# Altium PCB touch-tara-h-3 (final).PcbDoc (part 3 of 8)
Units mm, origin at the board's own origin, x right, y up, seen from the top; angles counter-clockwise.
Board outline 447.8 x 276.35 mm, 2 copper layers (Top Layer, Bottom Layer); 1040 components, 28 nets, 3254 pads, 0 vias.
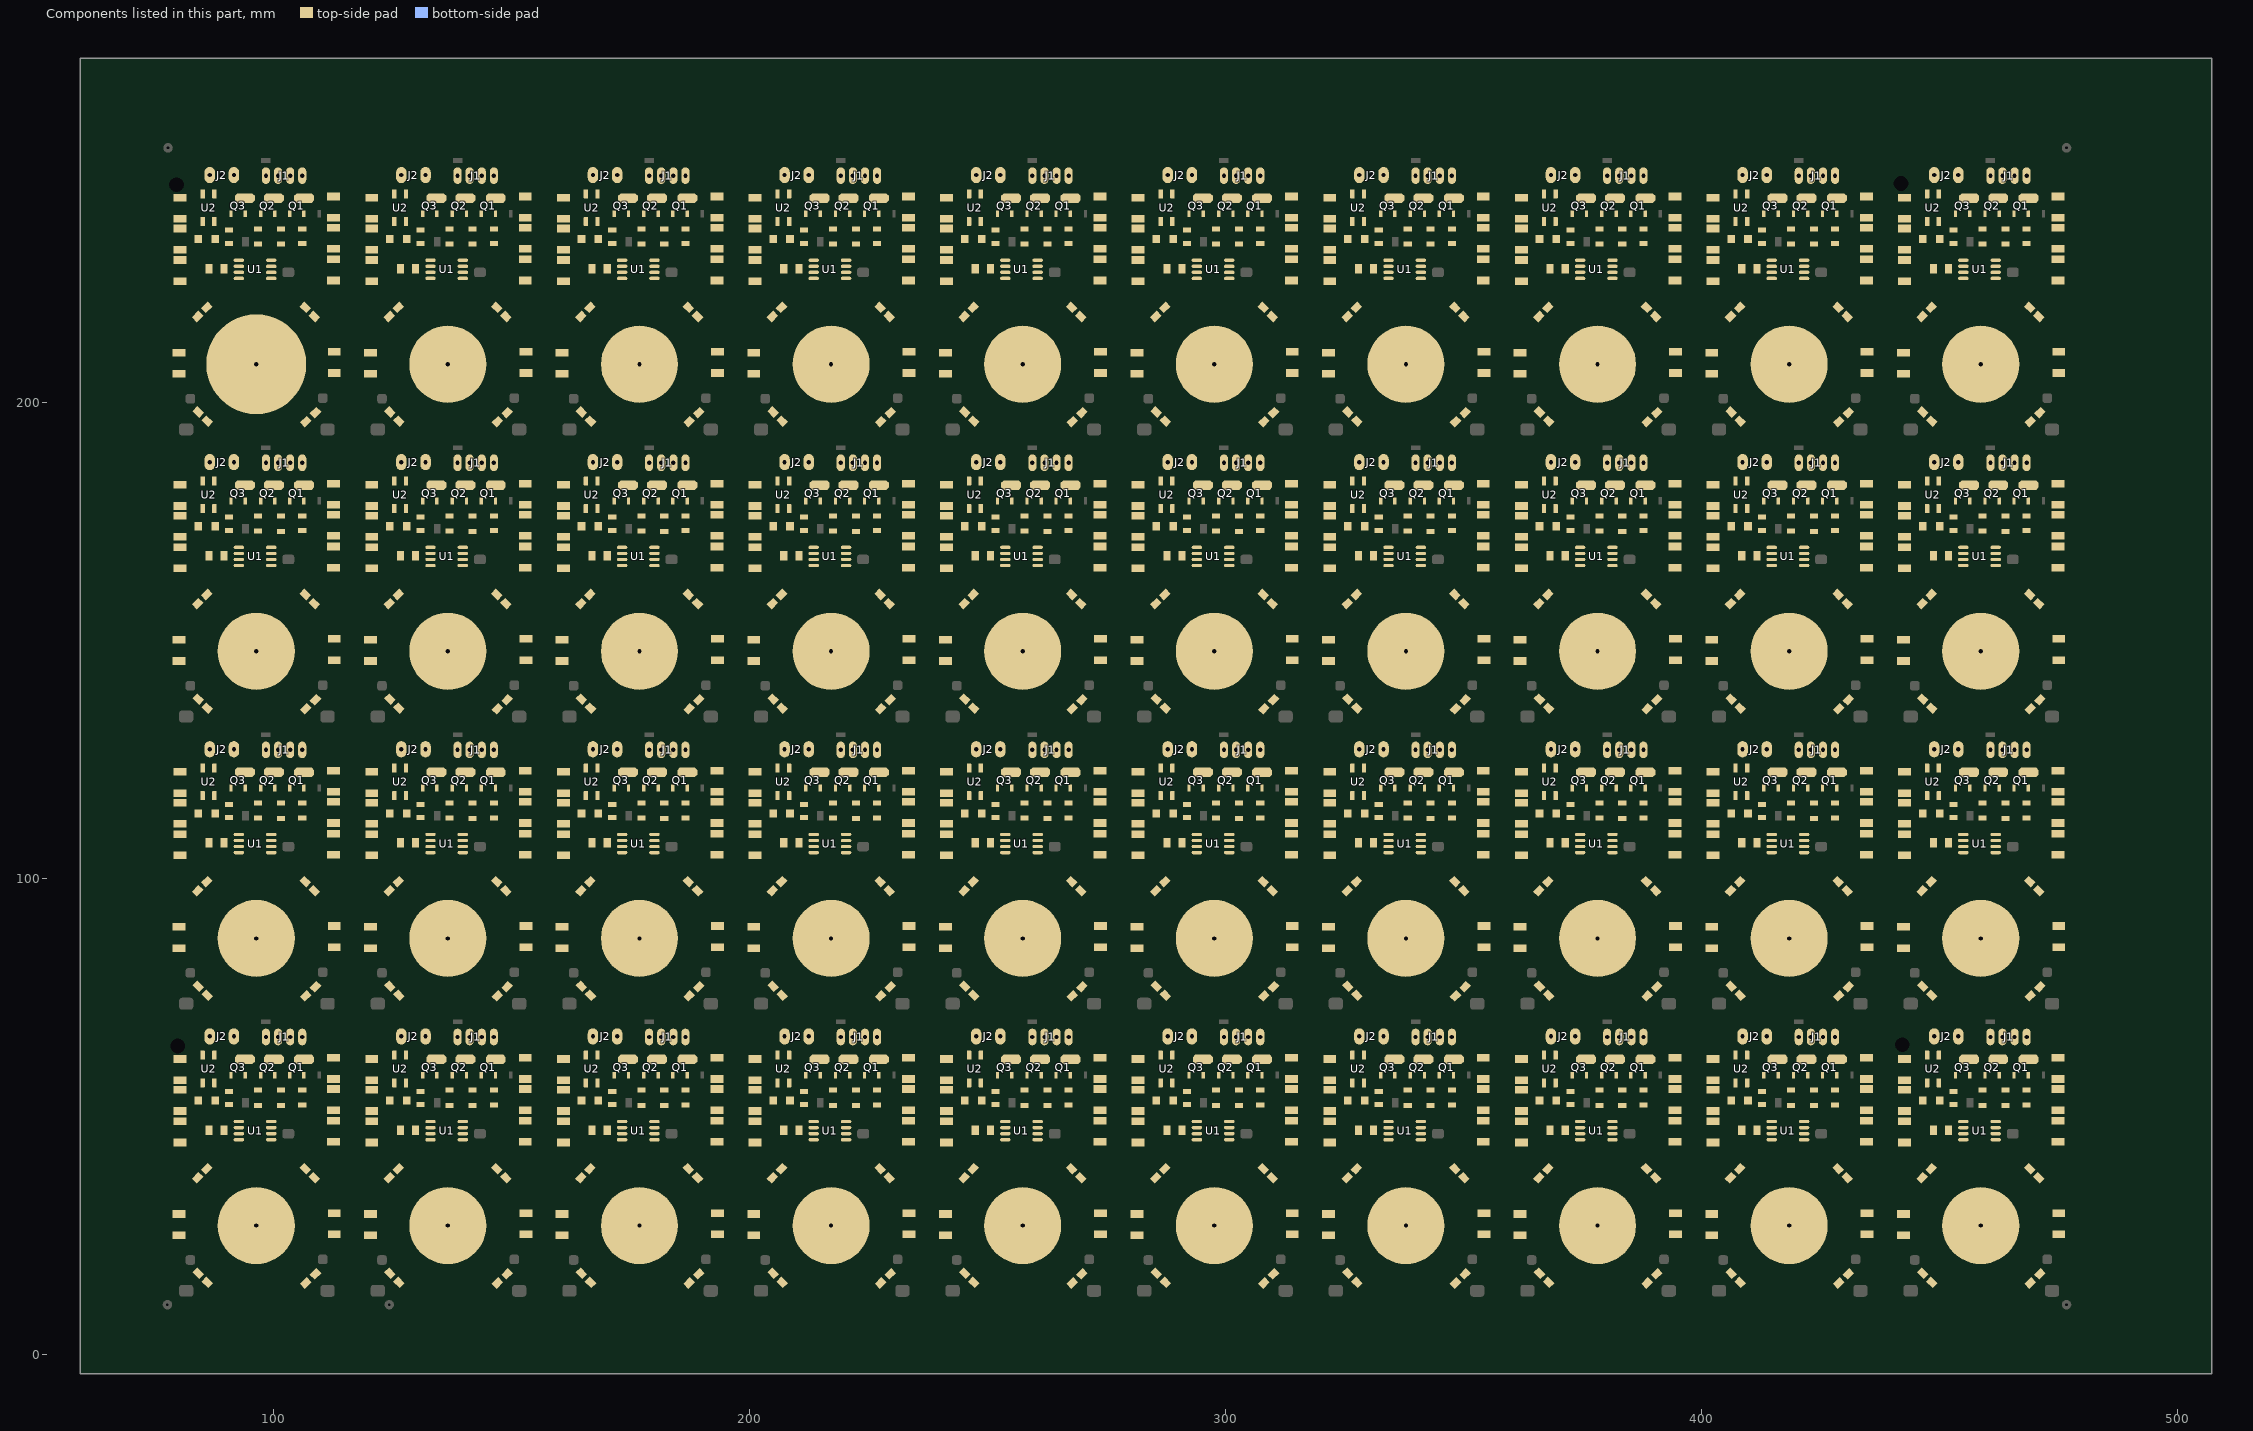
[diagram p3: the components of this part, seen from the top]

## Nets (pads, with @x,y where several pads share a name; then routed paths per layer and width w, separated by ;. In a path a pad name is that pad's centre, name@x,y a point inside that pad or via, vN(x,y) a via of type N, cw(c..) or ccw(c..) an arc to the next point about the centre after c; other vN are vias at no path point) (continued)
pads on no net: C1.1@84.201,113.665 C1.1@84.201,173.99 C1.1@84.201,234.315 C1.1@124.46,53.34 C1.1@124.46,113.665 C1.1@124.46,173.99 C1.1@124.46,234.315 C1.1@164.719,53.34 C1.1@164.719,113.665 C1.1@164.719,173.99 C1.1@164.719,234.315 C1.1@204.978,53.34 C1.1@204.978,113.665 C1.1@204.978,173.99 C1.1@204.978,234.315 C1.1@245.237,53.34 C1.1@245.237,113.665 C1.1@245.237,173.99 C1.1@245.237,234.315 C1.1@285.496,53.34 C1.1@285.496,113.665 C1.1@285.496,173.99 C1.1@285.496,234.315 C1.1@325.755,53.34 C1.1@325.755,113.665 C1.1@325.755,173.99 C1.1@325.755,234.315 C1.1@366.014,53.34 C1.1@366.014,113.665 C1.1@366.014,173.99 C1.1@366.014,234.315 C1.1@406.273,53.34 C1.1@406.273,113.665 C1.1@406.273,173.99 C1.1@406.273,234.315 C1.1@446.532,53.34 C1.1@446.532,113.665 C1.1@446.532,173.99 C1.1@446.532,234.315 C1.2@87.757,113.665 C1.2@87.757,173.99 C1.2@87.757,234.315 C1.2@128.016,53.34 C1.2@128.016,113.665 C1.2@128.016,173.99 C1.2@128.016,234.315 C1.2@168.275,53.34 C1.2@168.275,113.665 C1.2@168.275,173.99 C1.2@168.275,234.315 C1.2@208.534,53.34 C1.2@208.534,113.665 C1.2@208.534,173.99 C1.2@208.534,234.315 C1.2@248.793,53.34 C1.2@248.793,113.665 C1.2@248.793,173.99 C1.2@248.793,234.315 C1.2@289.052,53.34 C1.2@289.052,113.665 C1.2@289.052,173.99 C1.2@289.052,234.315 C1.2@329.311,53.34 C1.2@329.311,113.665 C1.2@329.311,173.99 C1.2@329.311,234.315 C1.2@369.57,53.34 C1.2@369.57,113.665 C1.2@369.57,173.99 C1.2@369.57,234.315 C1.2@409.829,53.34 C1.2@409.829,113.665 C1.2@409.829,173.99 C1.2@409.829,234.315 C1.2@450.088,53.34 C1.2@450.088,113.665 C1.2@450.088,173.99 C1.2@450.088,234.315 D1.1@106.68,99.314 D1.1@106.68,159.639 D1.1@106.68,219.964 D1.1@146.939,38.989 D1.1@146.939,99.314 D1.1@146.939,159.639 D1.1@146.939,219.964 D1.1@187.198,38.989 D1.1@187.198,99.314 D1.1@187.198,159.639 D1.1@187.198,219.964 D1.1@227.457,38.989 D1.1@227.457,99.314 D1.1@227.457,159.639 D1.1@227.457,219.964 D1.1@267.716,38.989 D1.1@267.716,99.314 D1.1@267.716,159.639 D1.1@267.716,219.964 D1.1@307.975,38.989 D1.1@307.975,99.314 D1.1@307.975,159.639 D1.1@307.975,219.964 D1.1@348.234,38.989 D1.1@348.234,99.314 D1.1@348.234,159.639 D1.1@348.234,219.964 D1.1@388.493,38.989 D1.1@388.493,99.314 D1.1@388.493,159.639 D1.1@388.493,219.964 D1.1@428.752,38.989 D1.1@428.752,99.314 D1.1@428.752,159.639 D1.1@428.752,219.964 D1.1@469.011,38.989 D1.1@469.011,99.314 D1.1@469.011,159.639 D1.1@469.011,219.964 D1.2@108.585,97.409 D1.2@108.585,157.734 D1.2@108.585,218.059 D1.2@148.844,37.084 D1.2@148.844,97.409 D1.2@148.844,157.734 D1.2@148.844,218.059 D1.2@189.103,37.084 D1.2@189.103,97.409 D1.2@189.103,157.734 D1.2@189.103,218.059 D1.2@229.362,37.084 D1.2@229.362,97.409 D1.2@229.362,157.734 D1.2@229.362,218.059 D1.2@269.621,37.084 D1.2@269.621,97.409 D1.2@269.621,157.734 D1.2@269.621,218.059 D1.2@309.88,37.084 D1.2@309.88,97.409 D1.2@309.88,157.734 D1.2@309.88,218.059 D1.2@350.139,37.084 D1.2@350.139,97.409 D1.2@350.139,157.734 D1.2@350.139,218.059 D1.2@390.398,37.084 D1.2@390.398,97.409 D1.2@390.398,157.734 D1.2@390.398,218.059 D1.2@430.657,37.084 D1.2@430.657,97.409 D1.2@430.657,157.734 D1.2@430.657,218.059 D1.2@470.916,37.084 D1.2@470.916,97.409 D1.2@470.916,157.734 D1.2@470.916,218.059 D2.1@108.839,77.216 D2.1@108.839,137.541 D2.1@108.839,197.866 D2.1@149.098,16.891 D2.1@149.098,77.216 D2.1@149.098,137.541 D2.1@149.098,197.866 D2.1@189.357,16.891 D2.1@189.357,77.216 D2.1@189.357,137.541 D2.1@189.357,197.866 D2.1@229.616,16.891 D2.1@229.616,77.216 D2.1@229.616,137.541 D2.1@229.616,197.866 D2.1@269.875,16.891 D2.1@269.875,77.216 D2.1@269.875,137.541 D2.1@269.875,197.866 D2.1@310.134,16.891 D2.1@310.134,77.216 D2.1@310.134,137.541 D2.1@310.134,197.866 D2.1@350.393,16.891 D2.1@350.393,77.216 D2.1@350.393,137.541 D2.1@350.393,197.866 D2.1@390.652,16.891 D2.1@390.652,77.216 D2.1@390.652,137.541 D2.1@390.652,197.866 D2.1@430.911,16.891 D2.1@430.911,77.216 D2.1@430.911,137.541 D2.1@430.911,197.866 D2.1@471.17,16.891 D2.1@471.17,77.216 D2.1@471.17,137.541 D2.1@471.17,197.866 D2.2@106.807,75.311 D2.2@106.807,135.636 D2.2@106.807,195.961 D2.2@147.066,14.986 D2.2@147.066,75.311 D2.2@147.066,135.636 D2.2@147.066,195.961 D2.2@187.325,14.986 D2.2@187.325,75.311 D2.2@187.325,135.636 D2.2@187.325,195.961 D2.2@227.584,14.986 D2.2@227.584,75.311 D2.2@227.584,135.636 D2.2@227.584,195.961 D2.2@267.843,14.986 D2.2@267.843,75.311 D2.2@267.843,135.636 D2.2@267.843,195.961 D2.2@308.102,14.986 D2.2@308.102,75.311 D2.2@308.102,135.636 D2.2@308.102,195.961 D2.2@348.361,14.986 D2.2@348.361,75.311 D2.2@348.361,135.636 D2.2@348.361,195.961 D2.2@388.62,14.986 D2.2@388.62,75.311 D2.2@388.62,135.636 D2.2@388.62,195.961 D2.2@428.879,14.986 D2.2@428.879,75.311 D2.2@428.879,135.636 D2.2@428.879,195.961 D2.2@469.138,14.986 D2.2@469.138,75.311 D2.2@469.138,135.636 D2.2@469.138,195.961 D3.1@86.106,75.438 D3.1@86.106,135.763 D3.1@86.106,196.088 D3.1@126.365,15.113 D3.1@126.365,75.438 D3.1@126.365,135.763 D3.1@126.365,196.088 D3.1@166.624,15.113 D3.1@166.624,75.438 D3.1@166.624,135.763 D3.1@166.624,196.088 D3.1@206.883,15.113 D3.1@206.883,75.438 D3.1@206.883,135.763 D3.1@206.883,196.088 D3.1@247.142,15.113 D3.1@247.142,75.438 D3.1@247.142,135.763 D3.1@247.142,196.088 D3.1@287.401,15.113 D3.1@287.401,75.438 D3.1@287.401,135.763 D3.1@287.401,196.088 D3.1@327.66,15.113 D3.1@327.66,75.438 D3.1@327.66,135.763 D3.1@327.66,196.088 D3.1@367.919,15.113 D3.1@367.919,75.438 D3.1@367.919,135.763 D3.1@367.919,196.088 D3.1@408.178,15.113 D3.1@408.178,75.438 D3.1@408.178,135.763 D3.1@408.178,196.088 D3.1@448.437,15.113 D3.1@448.437,75.438 D3.1@448.437,135.763 D3.1@448.437,196.088 D3.2@84.201,77.343 D3.2@84.201,137.668 D3.2@84.201,197.993 D3.2@124.46,17.018 D3.2@124.46,77.343 D3.2@124.46,137.668 D3.2@124.46,197.993 D3.2@164.719,17.018 D3.2@164.719,77.343 D3.2@164.719,137.668 D3.2@164.719,197.993 D3.2@204.978,17.018 D3.2@204.978,77.343 D3.2@204.978,137.668 D3.2@204.978,197.993 D3.2@245.237,17.018 D3.2@245.237,77.343 D3.2@245.237,137.668 D3.2@245.237,197.993 D3.2@285.496,17.018 D3.2@285.496,77.343 D3.2@285.496,137.668 D3.2@285.496,197.993 D3.2@325.755,17.018 D3.2@325.755,77.343 D3.2@325.755,137.668 D3.2@325.755,197.993 D3.2@366.014,17.018 D3.2@366.014,77.343 D3.2@366.014,137.668 D3.2@366.014,197.993 D3.2@406.273,17.018 D3.2@406.273,77.343 D3.2@406.273,137.668 D3.2@406.273,197.993 D3.2@446.532,17.018 D3.2@446.532,77.343 D3.2@446.532,137.668 D3.2@446.532,197.993 D4.1@89.615,107.442 D4.1@89.615,167.767 D4.1@89.615,228.092 D4.1@129.874,47.117 D4.1@129.874,107.442 D4.1@129.874,167.767 D4.1@129.874,228.092 D4.1@170.133,47.117 D4.1@170.133,107.442 D4.1@170.133,167.767 D4.1@170.133,228.092 D4.1@210.392,47.117 D4.1@210.392,107.442 D4.1@210.392,167.767 D4.1@210.392,228.092 D4.1@250.651,47.117 D4.1@250.651,107.442 D4.1@250.651,167.767 D4.1@250.651,228.092 D4.1@290.91,47.117 D4.1@290.91,107.442 D4.1@290.91,167.767 D4.1@290.91,228.092 D4.1@331.169,47.117 D4.1@331.169,107.442 D4.1@331.169,167.767 D4.1@331.169,228.092 D4.1@371.428,47.117 D4.1@371.428,107.442 D4.1@371.428,167.767 D4.1@371.428,228.092 D4.1@411.687,47.117 D4.1@411.687,107.442 D4.1@411.687,167.767 D4.1@411.687,228.092 D4.1@451.946,47.117 D4.1@451.946,107.442 D4.1@451.946,167.767 D4.1@451.946,228.092 D4.2@86.435,107.442 D4.2@86.435,167.767 D4.2@86.435,228.092 D4.2@126.694,47.117 D4.2@126.694,107.442 D4.2@126.694,167.767 D4.2@126.694,228.092 D4.2@166.953,47.117 D4.2@166.953,107.442 D4.2@166.953,167.767 D4.2@166.953,228.092 D4.2@207.212,47.117 D4.2@207.212,107.442 D4.2@207.212,167.767 D4.2@207.212,228.092 D4.2@247.471,47.117 D4.2@247.471,107.442 D4.2@247.471,167.767 D4.2@247.471,228.092 D4.2@287.73,47.117 D4.2@287.73,107.442 D4.2@287.73,167.767 D4.2@287.73,228.092 D4.2@327.989,47.117 D4.2@327.989,107.442 D4.2@327.989,167.767 D4.2@327.989,228.092 D4.2@368.248,47.117 D4.2@368.248,107.442 D4.2@368.248,167.767 D4.2@368.248,228.092 D4.2@408.507,47.117 D4.2@408.507,107.442 D4.2@408.507,167.767 D4.2@408.507,228.092 D4.2@448.766,47.117 D4.2@448.766,107.442 D4.2@448.766,167.767 D4.2@448.766,228.092 D5.1@84.074,97.409 D5.1@84.074,157.734 D5.1@84.074,218.059 D5.1@124.333,37.084 D5.1@124.333,97.409 D5.1@124.333,157.734 D5.1@124.333,218.059 D5.1@164.592,37.084 D5.1@164.592,97.409 D5.1@164.592,157.734 D5.1@164.592,218.059 D5.1@204.851,37.084 D5.1@204.851,97.409 D5.1@204.851,157.734 D5.1@204.851,218.059 D5.1@245.11,37.084 D5.1@245.11,97.409 D5.1@245.11,157.734 D5.1@245.11,218.059 D5.1@285.369,37.084 D5.1@285.369,97.409 D5.1@285.369,157.734 D5.1@285.369,218.059 D5.1@325.628,37.084 D5.1@325.628,97.409 D5.1@325.628,157.734 D5.1@325.628,218.059 D5.1@365.887,37.084 D5.1@365.887,97.409 D5.1@365.887,157.734 D5.1@365.887,218.059 D5.1@406.146,37.084 D5.1@406.146,97.409 D5.1@406.146,157.734 D5.1@406.146,218.059 D5.1@446.405,37.084 D5.1@446.405,97.409 D5.1@446.405,157.734 D5.1@446.405,218.059 D5.2@85.979,99.314 D5.2@85.979,159.639 D5.2@85.979,219.964 D5.2@126.238,38.989 D5.2@126.238,99.314 D5.2@126.238,159.639 D5.2@126.238,219.964 D5.2@166.497,38.989 D5.2@166.497,99.314 D5.2@166.497,159.639 D5.2@166.497,219.964 D5.2@206.756,38.989 D5.2@206.756,99.314 D5.2@206.756,159.639 D5.2@206.756,219.964 D5.2@247.015,38.989 D5.2@247.015,99.314 D5.2@247.015,159.639 D5.2@247.015,219.964 D5.2@287.274,38.989 D5.2@287.274,99.314 D5.2@287.274,159.639 D5.2@287.274,219.964 D5.2@327.533,38.989 D5.2@327.533,99.314 D5.2@327.533,159.639 D5.2@327.533,219.964 D5.2@367.792,38.989 D5.2@367.792,99.314 D5.2@367.792,159.639 D5.2@367.792,219.964 D5.2@408.051,38.989 D5.2@408.051,99.314 D5.2@408.051,159.639 D5.2@408.051,219.964 D5.2@448.31,38.989 D5.2@448.31,99.314 D5.2@448.31,159.639 D5.2@448.31,219.964 J1.1@106.045,127 J1.1@106.045,187.325 J1.1@106.045,247.65 J1.1@146.304,66.675 J1.1@146.304,127 J1.1@146.304,187.325 J1.1@146.304,247.65 J1.1@186.563,66.675 J1.1@186.563,127 J1.1@186.563,187.325 J1.1@186.563,247.65 J1.1@226.822,66.675 J1.1@226.822,127 J1.1@226.822,187.325 J1.1@226.822,247.65 J1.1@267.081,66.675 J1.1@267.081,127 J1.1@267.081,187.325 J1.1@267.081,247.65 J1.1@307.34,66.675 J1.1@307.34,127 J1.1@307.34,187.325 J1.1@307.34,247.65 J1.1@347.599,66.675 J1.1@347.599,127 J1.1@347.599,187.325 J1.1@347.599,247.65 J1.1@387.858,66.675 J1.1@387.858,127 J1.1@387.858,187.325 J1.1@387.858,247.65 J1.1@428.117,66.675 J1.1@428.117,127 J1.1@428.117,187.325 J1.1@428.117,247.65 J1.1@468.376,66.675 J1.1@468.376,127 J1.1@468.376,187.325 J1.1@468.376,247.65 J1.2@103.505,127 J1.2@103.505,187.325 J1.2@103.505,247.65 J1.2@143.764,66.675 J1.2@143.764,127 J1.2@143.764,187.325 J1.2@143.764,247.65 J1.2@184.023,66.675 J1.2@184.023,127 J1.2@184.023,187.325 J1.2@184.023,247.65 J1.2@224.282,66.675 J1.2@224.282,127 J1.2@224.282,187.325 J1.2@224.282,247.65 J1.2@264.541,66.675 J1.2@264.541,127 J1.2@264.541,187.325 J1.2@264.541,247.65 J1.2@304.8,66.675 J1.2@304.8,127 J1.2@304.8,187.325 J1.2@304.8,247.65 J1.2@345.059,66.675 J1.2@345.059,127 J1.2@345.059,187.325 J1.2@345.059,247.65 J1.2@385.318,66.675 J1.2@385.318,127 J1.2@385.318,187.325 J1.2@385.318,247.65 J1.2@425.577,66.675 J1.2@425.577,127 J1.2@425.577,187.325 J1.2@425.577,247.65 J1.2@465.836,66.675 J1.2@465.836,127 J1.2@465.836,187.325 J1.2@465.836,247.65 J1.3@100.965,127 J1.3@100.965,187.325 J1.3@100.965,247.65 J1.3@141.224,66.675 J1.3@141.224,127 J1.3@141.224,187.325 J1.3@141.224,247.65 J1.3@181.483,66.675 J1.3@181.483,127 J1.3@181.483,187.325 J1.3@181.483,247.65 J1.3@221.742,66.675 J1.3@221.742,127 J1.3@221.742,187.325 J1.3@221.742,247.65 J1.3@262.001,66.675 J1.3@262.001,127 J1.3@262.001,187.325 J1.3@262.001,247.65 J1.3@302.26,66.675 J1.3@302.26,127 J1.3@302.26,187.325 J1.3@302.26,247.65 J1.3@342.519,66.675 J1.3@342.519,127 J1.3@342.519,187.325 J1.3@342.519,247.65 J1.3@382.778,66.675 J1.3@382.778,127 J1.3@382.778,187.325 J1.3@382.778,247.65 J1.3@423.037,66.675 J1.3@423.037,127 J1.3@423.037,187.325 J1.3@423.037,247.65 J1.3@463.296,66.675 J1.3@463.296,127 J1.3@463.296,187.325 J1.3@463.296,247.65 J1.4@98.425,127 J1.4@98.425,187.325 J1.4@98.425,247.65 J1.4@138.684,66.675 J1.4@138.684,127 J1.4@138.684,187.325 J1.4@138.684,247.65 J1.4@178.943,66.675 J1.4@178.943,127 J1.4@178.943,187.325 J1.4@178.943,247.65 J1.4@219.202,66.675 J1.4@219.202,127 J1.4@219.202,187.325 J1.4@219.202,247.65 J1.4@259.461,66.675 J1.4@259.461,127 J1.4@259.461,187.325 J1.4@259.461,247.65 J1.4@299.72,66.675 J1.4@299.72,127 J1.4@299.72,187.325 J1.4@299.72,247.65 J1.4@339.979,66.675 J1.4@339.979,127 J1.4@339.979,187.325 J1.4@339.979,247.65 J1.4@380.238,66.675 J1.4@380.238,127 J1.4@380.238,187.325 J1.4@380.238,247.65 J1.4@420.497,66.675 J1.4@420.497,127 J1.4@420.497,187.325 J1.4@420.497,247.65 J1.4@460.756,66.675 J1.4@460.756,127 J1.4@460.756,187.325 J1.4@460.756,247.65 J2.1@86.614,127.127 J2.1@86.614,187.452 J2.1@86.614,247.777 J2.1@126.873,66.802 J2.1@126.873,127.127 J2.1@126.873,187.452 J2.1@126.873,247.777 J2.1@167.132,66.802 J2.1@167.132,127.127 J2.1@167.132,187.452 J2.1@167.132,247.777 J2.1@207.391,66.802 J2.1@207.391,127.127 J2.1@207.391,187.452 J2.1@207.391,247.777 J2.1@247.65,66.802 J2.1@247.65,127.127 J2.1@247.65,187.452 J2.1@247.65,247.777 J2.1@287.909,66.802 J2.1@287.909,127.127 J2.1@287.909,187.452 J2.1@287.909,247.777 J2.1@328.168,66.802 J2.1@328.168,127.127 J2.1@328.168,187.452 J2.1@328.168,247.777 J2.1@368.427,66.802 J2.1@368.427,127.127 J2.1@368.427,187.452 J2.1@368.427,247.777 J2.1@408.686,66.802 J2.1@408.686,127.127 J2.1@408.686,187.452 J2.1@408.686,247.777 J2.1@448.945,66.802 J2.1@448.945,127.127 J2.1@448.945,187.452 J2.1@448.945,247.777 J2.2 J2.3@91.694,127.127 J2.3@91.694,187.452 J2.3@91.694,247.777 J2.3@131.953,66.802 J2.3@131.953,127.127 J2.3@131.953,187.452 J2.3@131.953,247.777 J2.3@172.212,66.802 J2.3@172.212,127.127 J2.3@172.212,187.452 J2.3@172.212,247.777 J2.3@212.471,66.802 J2.3@212.471,127.127 J2.3@212.471,187.452 J2.3@212.471,247.777 J2.3@252.73,66.802 J2.3@252.73,127.127 J2.3@252.73,187.452 J2.3@252.73,247.777 J2.3@292.989,66.802 J2.3@292.989,127.127 J2.3@292.989,187.452 J2.3@292.989,247.777 J2.3@333.248,66.802 J2.3@333.248,127.127 J2.3@333.248,187.452 J2.3@333.248,247.777 J2.3@373.507,66.802 J2.3@373.507,127.127 J2.3@373.507,187.452 J2.3@373.507,247.777 J2.3@413.766,66.802 J2.3@413.766,127.127 J2.3@413.766,187.452 J2.3@413.766,247.777 J2.3@454.025,66.802 J2.3@454.025,127.127 J2.3@454.025,187.452 J2.3@454.025,247.777 P1.1@96.393,87.376 P1.1@96.393,147.701 P1.1@96.393,208.026 P1.1@136.652,27.051 P1.1@136.652,87.376 P1.1@136.652,147.701 P1.1@136.652,208.026 P1.1@176.911,27.051 P1.1@176.911,87.376 P1.1@176.911,147.701 P1.1@176.911,208.026 P1.1@217.17,27.051 P1.1@217.17,87.376 P1.1@217.17,147.701 P1.1@217.17,208.026 P1.1@257.429,27.051 P1.1@257.429,87.376 P1.1@257.429,147.701 P1.1@257.429,208.026 P1.1@297.688,27.051 P1.1@297.688,87.376 P1.1@297.688,147.701 P1.1@297.688,208.026 P1.1@337.947,27.051 P1.1@337.947,87.376 P1.1@337.947,147.701 P1.1@337.947,208.026 P1.1@378.206,27.051 P1.1@378.206,87.376 P1.1@378.206,147.701 P1.1@378.206,208.026 P1.1@418.465,27.051 P1.1@418.465,87.376 P1.1@418.465,147.701 P1.1@418.465,208.026 P1.1@458.724,27.051 P1.1@458.724,87.376 P1.1@458.724,147.701 P1.1@458.724,208.026 Q1.1@103.402,118.977 Q1.1@103.402,179.302 Q1.1@103.402,239.627 Q1.1@143.661,58.652 Q1.1@143.661,118.977 Q1.1@143.661,179.302 Q1.1@143.661,239.627 Q1.1@183.92,58.652 Q1.1@183.92,118.977 Q1.1@183.92,179.302 Q1.1@183.92,239.627 Q1.1@224.179,58.652 Q1.1@224.179,118.977 Q1.1@224.179,179.302 Q1.1@224.179,239.627 Q1.1@264.438,58.652 Q1.1@264.438,118.977 Q1.1@264.438,179.302 Q1.1@264.438,239.627 Q1.1@304.697,58.652 Q1.1@304.697,118.977 Q1.1@304.697,179.302 Q1.1@304.697,239.627 Q1.1@344.956,58.652 Q1.1@344.956,118.977 Q1.1@344.956,179.302 Q1.1@344.956,239.627 Q1.1@385.215,58.652 Q1.1@385.215,118.977 Q1.1@385.215,179.302 Q1.1@385.215,239.627 Q1.1@425.474,58.652 Q1.1@425.474,118.977 Q1.1@425.474,179.302 Q1.1@425.474,239.627 Q1.1@465.733,58.652 Q1.1@465.733,118.977 Q1.1@465.733,179.302 Q1.1@465.733,239.627 Q1.2@106.45,122.279 Q1.2@106.45,182.604 Q1.2@106.45,242.929 Q1.2@146.709,61.954 Q1.2@146.709,122.279 Q1.2@146.709,182.604 Q1.2@146.709,242.929 Q1.2@186.968,61.954 Q1.2@186.968,122.279 Q1.2@186.968,182.604 Q1.2@186.968,242.929 Q1.2@227.227,61.954 Q1.2@227.227,122.279 Q1.2@227.227,182.604 Q1.2@227.227,242.929 Q1.2@267.486,61.954 Q1.2@267.486,122.279 Q1.2@267.486,182.604 Q1.2@267.486,242.929 Q1.2@307.745,61.954 Q1.2@307.745,122.279 Q1.2@307.745,182.604 Q1.2@307.745,242.929 Q1.2@348.004,61.954 Q1.2@348.004,122.279 Q1.2@348.004,182.604 Q1.2@348.004,242.929 Q1.2@388.263,61.954 Q1.2@388.263,122.279 Q1.2@388.263,182.604 Q1.2@388.263,242.929 Q1.2@428.522,61.954 Q1.2@428.522,122.279 Q1.2@428.522,182.604 Q1.2@428.522,242.929 Q1.2@468.781,61.954 Q1.2@468.781,122.279 Q1.2@468.781,182.604 Q1.2@468.781,242.929 Q1.3@106.402,118.977 Q1.3@106.402,179.302 Q1.3@106.402,239.627 Q1.3@146.661,58.652 Q1.3@146.661,118.977 Q1.3@146.661,179.302 Q1.3@146.661,239.627 Q1.3@186.92,58.652 Q1.3@186.92,118.977 Q1.3@186.92,179.302 Q1.3@186.92,239.627 Q1.3@227.179,58.652 Q1.3@227.179,118.977 Q1.3@227.179,179.302 Q1.3@227.179,239.627 Q1.3@267.438,58.652 Q1.3@267.438,118.977 Q1.3@267.438,179.302 Q1.3@267.438,239.627 Q1.3@307.697,58.652 Q1.3@307.697,118.977 Q1.3@307.697,179.302 Q1.3@307.697,239.627 Q1.3@347.956,58.652 Q1.3@347.956,118.977 Q1.3@347.956,179.302 Q1.3@347.956,239.627 Q1.3@388.215,58.652 Q1.3@388.215,118.977 Q1.3@388.215,179.302 Q1.3@388.215,239.627 Q1.3@428.474,58.652 Q1.3@428.474,118.977 Q1.3@428.474,179.302 Q1.3@428.474,239.627 Q1.3@468.733,58.652 Q1.3@468.733,118.977 Q1.3@468.733,179.302 Q1.3@468.733,239.627 Q2.1@97.306,118.977 Q2.1@97.306,179.302 Q2.1@97.306,239.627 Q2.1@137.565,58.652 Q2.1@137.565,118.977 Q2.1@137.565,179.302 Q2.1@137.565,239.627 Q2.1@177.824,58.652 Q2.1@177.824,118.977 Q2.1@177.824,179.302 Q2.1@177.824,239.627 Q2.1@218.083,58.652 Q2.1@218.083,118.977 Q2.1@218.083,179.302 Q2.1@218.083,239.627 Q2.1@258.342,58.652 Q2.1@258.342,118.977 Q2.1@258.342,179.302 Q2.1@258.342,239.627 Q2.1@298.601,58.652 Q2.1@298.601,118.977 Q2.1@298.601,179.302 Q2.1@298.601,239.627 Q2.1@338.86,58.652 Q2.1@338.86,118.977 Q2.1@338.86,179.302 Q2.1@338.86,239.627 Q2.1@379.119,58.652 Q2.1@379.119,118.977 Q2.1@379.119,179.302 Q2.1@379.119,239.627 Q2.1@419.378,58.652 Q2.1@419.378,118.977 Q2.1@419.378,179.302 Q2.1@419.378,239.627 Q2.1@459.637,58.652 Q2.1@459.637,118.977 Q2.1@459.637,179.302 Q2.1@459.637,239.627 Q2.2@100.076,122.301 Q2.2@100.076,182.626 Q2.2@100.076,242.951 Q2.2@140.335,61.976 Q2.2@140.335,122.301 Q2.2@140.335,182.626 Q2.2@140.335,242.951 Q2.2@180.594,61.976 Q2.2@180.594,122.301 Q2.2@180.594,182.626 Q2.2@180.594,242.951 Q2.2@220.853,61.976 Q2.2@220.853,122.301 Q2.2@220.853,182.626 Q2.2@220.853,242.951 Q2.2@261.112,61.976 Q2.2@261.112,122.301 Q2.2@261.112,182.626 Q2.2@261.112,242.951 Q2.2@301.371,61.976 Q2.2@301.371,122.301 Q2.2@301.371,182.626 Q2.2@301.371,242.951 Q2.2@341.63,61.976 Q2.2@341.63,122.301 Q2.2@341.63,182.626 Q2.2@341.63,242.951 Q2.2@381.889,61.976 Q2.2@381.889,122.301 Q2.2@381.889,182.626 Q2.2@381.889,242.951 Q2.2@422.148,61.976 Q2.2@422.148,122.301 Q2.2@422.148,182.626 Q2.2@422.148,242.951 Q2.2@462.407,61.976 Q2.2@462.407,122.301 Q2.2@462.407,182.626 Q2.2@462.407,242.951 Q2.3@100.306,118.977 Q2.3@100.306,179.302 Q2.3@100.306,239.627 Q2.3@140.565,58.652 Q2.3@140.565,118.977 Q2.3@140.565,179.302 Q2.3@140.565,239.627 Q2.3@180.824,58.652 Q2.3@180.824,118.977 Q2.3@180.824,179.302 Q2.3@180.824,239.627 Q2.3@221.083,58.652 Q2.3@221.083,118.977 Q2.3@221.083,179.302 Q2.3@221.083,239.627 Q2.3@261.342,58.652 Q2.3@261.342,118.977 Q2.3@261.342,179.302 Q2.3@261.342,239.627 Q2.3@301.601,58.652 Q2.3@301.601,118.977 Q2.3@301.601,179.302 Q2.3@301.601,239.627 Q2.3@341.86,58.652 Q2.3@341.86,118.977 Q2.3@341.86,179.302 Q2.3@341.86,239.627 Q2.3@382.119,58.652 Q2.3@382.119,118.977 Q2.3@382.119,179.302 Q2.3@382.119,239.627 Q2.3@422.378,58.652 Q2.3@422.378,118.977 Q2.3@422.378,179.302 Q2.3@422.378,239.627 Q2.3@462.637,58.652 Q2.3@462.637,118.977 Q2.3@462.637,179.302 Q2.3@462.637,239.627 Q3.1@91.083,118.977 Q3.1@91.083,179.302 Q3.1@91.083,239.627 Q3.1@131.342,58.652 Q3.1@131.342,118.977 Q3.1@131.342,179.302 Q3.1@131.342,239.627 Q3.1@171.601,58.652 Q3.1@171.601,118.977 Q3.1@171.601,179.302 